# Altium PCB STeaMi-VerB1.PcbDoc (part 5 of 5)
Units mm, origin at the board's own origin, x right, y up, seen from the top; angles counter-clockwise.
Board outline 61.3 x 91.91 mm, 4 copper layers (Top Layer, Mid-Layer 1, Mid-Layer 2, Bottom Layer), stack 1.573 mm thick; 370 components, 209 nets, 1141 pads, 566 vias.
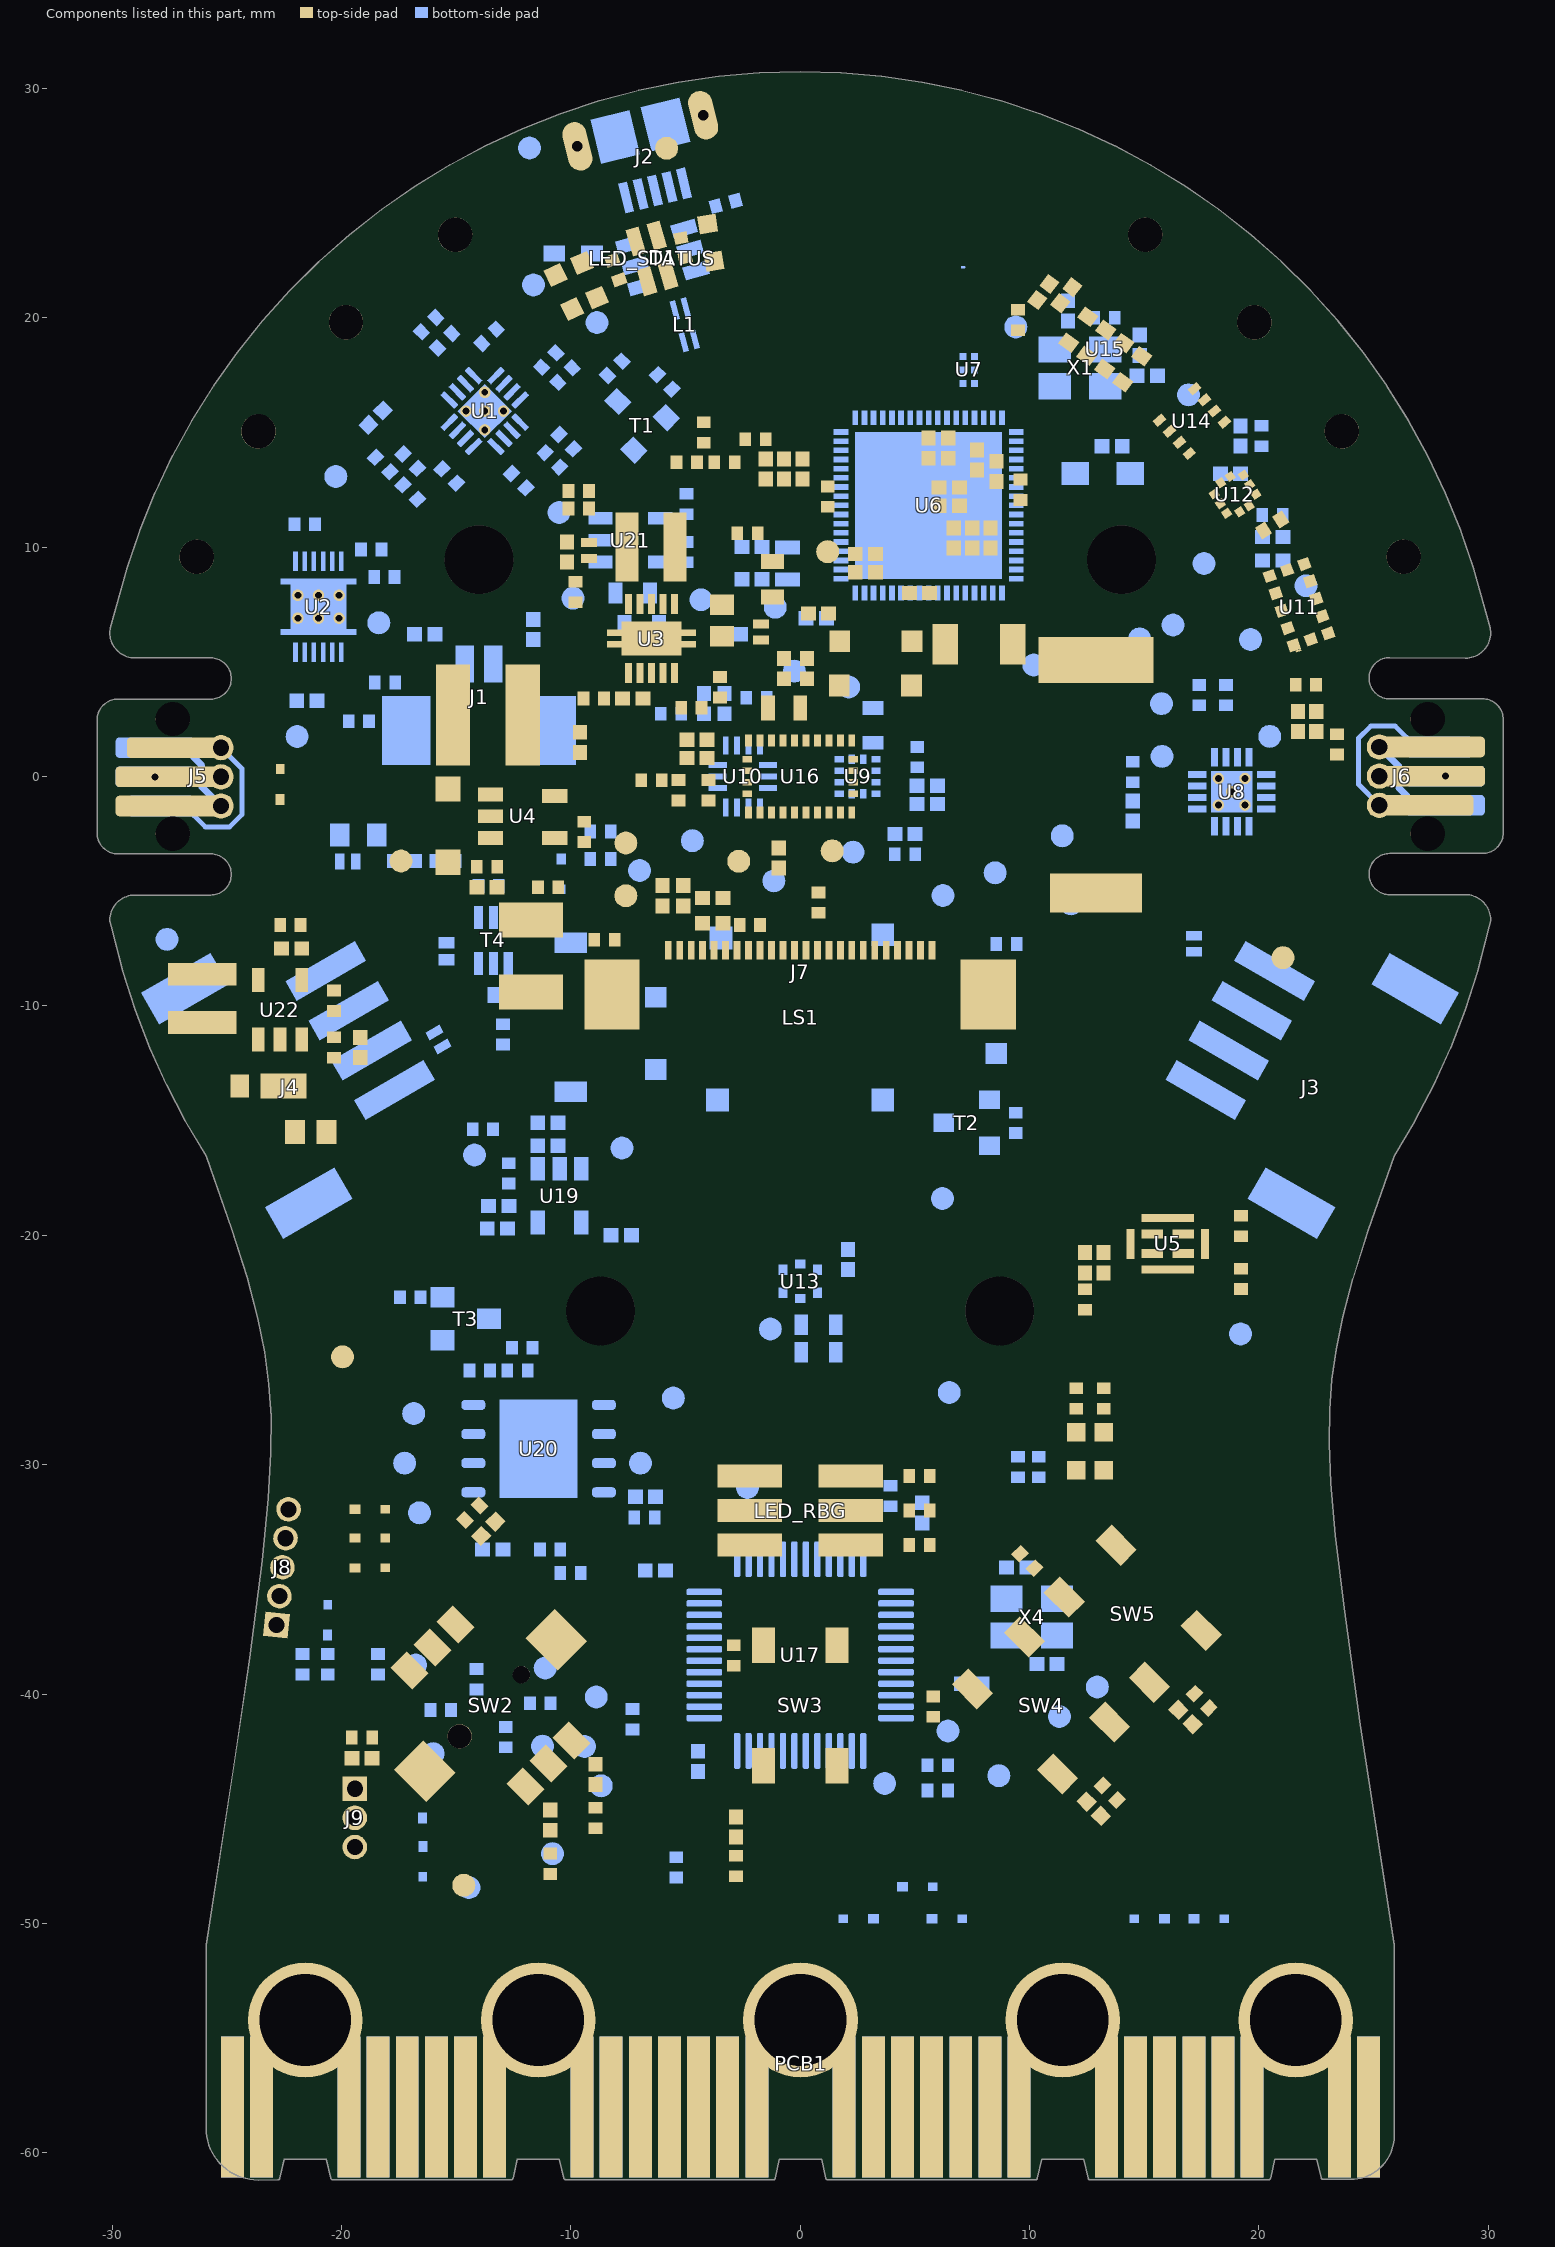
[diagram p7: the components of this part, seen from the top]

## Polygon pours and split planes (outlines as drawn)
GND on Bottom Layer "GND_L04_P103" (solid, remove dead copper, pour order 103): -27.558,-13.412 -28.287,-11.799 -28.922,-10.145 -29.46,-8.458 -29.9,-6.743 -30.24,-5.005 -30.478,-3.25 -30.615,-1.485 -30.65,0.286 -30.582,2.055 -30.412,3.818 -30.141,5.568 -29.769,7.299 -29.297,9.006 -28.727,10.683 -28.062,12.324 -27.303,13.924 -26.452,15.477 -25.514,16.979 -24.49,18.424 -23.384,19.807 -22.2,21.124 -20.942,22.37 -19.614,23.542 -18.221,24.634 -16.766,25.645 -15.256,26.57 -13.695,27.405 -12.088,28.15 -10.441,28.8 -8.759,29.354 -7.048,29.809 -5.313,30.165 -3.561,30.42 -1.796,30.574 -0.026,30.625 1.744,30.574 3.508,30.42 5.26,30.165 6.995,29.809 8.706,29.354 10.388,28.8 12.036,28.15 13.643,27.405 15.204,26.57 16.714,25.645 18.168,24.634 19.562,23.542 20.89,22.37 22.148,21.124 23.331,19.807 24.437,18.424 25.461,16.979 26.4,15.477 27.25,13.924 28.01,12.324 28.675,10.683 29.245,9.006 29.716,7.299 30.088,5.568 30.36,3.818 30.53,2.055 30.597,0.286 30.563,-1.485 30.426,-3.25 30.187,-5.005 29.847,-6.743 29.408,-8.458 28.87,-10.145 28.235,-11.799 27.506,-13.412 26.684,-14.981 25.774,-16.5 24.641,-19.74 23.977,-21.864 23.532,-23.541 23.238,-24.963 23.051,-26.28 22.951,-27.61 22.933,-29.073 23.008,-30.822 23.204,-33.088 23.583,-36.277 24.296,-41.352 25.774,-50.954 25.774,-60.954 -25.826,-60.954 -25.826,-50.954 -24.609,-43.101 -23.927,-38.432 -23.379,-34.205 -23.108,-31.476 -22.995,-29.494 -22.993,-27.898 -23.083,-26.478 -23.269,-25.088 -23.573,-23.591 -24.043,-21.817 -24.705,-19.707 -25.826,-16.5 -26.737,-14.981
GND on Bottom Layer "GND-ANTENNA-TRACK" (solid, pour order 28): 5.392,22.3 5.392,20.149 ccw(c8.328,20.266) 6.058,18.4 9.342,18.4 ccw(c8.384,19.59) 9.692,18.8 ccw(c8.968,19.524) 9.992,19.524 9.992,22.3
GND on Bottom Layer "Bottom Layer-GND" (solid, remove dead copper, pour order 32): -15.1,7.9 -15.1,5.8 -14,5.8 -13.8,5.6 -13.8,4 -12.9,4 -11.9,5 -10.8,5 -10.8,7.9
POWER on Bottom Layer "POWER_L04_P000" (solid, pour order 0): -13.716,-4.318 -13.724,-6.759 -16.383,-6.759 -16.383,-4.318
NetC48_2 on Bottom Layer "Bottom Layer-NetC48_2" (solid, pour order 70): -1.4,1.35 -1.4,-1.736 -3.6,-1.736 -3.6,1.35
POWER on Bottom Layer "Bottom Layer-POWER" (solid, pour order 72): -6.837,9.7 -6.837,5.946 -5.418,5.946 -5.418,9.7 -6.216,9.7
GND on Bottom Layer "Antenna_GND" (solid, pour order 12): 6.7,18.9 6.7,16.2 7.4,16.2 7.4,17.4 8.1,17.4 8.1,18.9
PACK_OUT on Bottom Layer "Bottom Layer-PACK_OUT" (solid, pour order 8): -13.5,14.7 -11.557,12.827 -11.43,12.827 -10.668,13.589 -12.7,15.5
SYST on Bottom Layer "Bottom Layer-SYST" (solid, remove dead copper, pour order 52): -10.9,9.8 -10.9,7.1 -7.7,7.1 -7.7,9.8
GND on Top Layer "GND_L01_P105" (solid, pour order 105): 190 vertices, not listed, extent -30.65,-61.185 30.651,30.746
NetC8_2 on Top Layer "NETC8_2_L01_P058" (solid, remove dead copper, pour order 58): -13,5 -13,-0.447 -11.2,-2.247 -9,-2.247 -9,1.535 -11.3,1.535 -11.3,5
NetC54_2 on Top Layer "Mid-Layer 1-NetC45_2" (solid, pour order 36): 22.659,10.189 24.171,6.03 21.123,4.922 19.677,9.257
+14V5 on Top Layer "Top Layer-+14V5" (solid, pour order 62): -15.9,-3.178 -15.9,-4.435 -15.499,-4.835 -15.499,-8.183 -13,-8.183 -13,-4.3 -13.7,-4.3 -13.7,-3.178
GND on Top Layer "DC/DC_GND" (solid, pour order 96): -9.556,7.195 -2.8,7.2 -2.8,4 -9.6,4 -9.6,7.2
NetD3_A on Top Layer "Top Layer-NetD3_A" (solid, pour order 56): -12.686,-1.368 -12.686,-0.015 -13.6,-0.016 -13.6,5 -16.3,5 -16.3,-1.368
NetC59_2 on Top Layer "Top Layer-NetC59_2" (solid, pour order 2): 19.114,14.95 17.259,16.805 18.577,17.519 18.903,17.463 20.777,17.463 20.963,17.277 20.949,17.263 20.949,16.785
NetC86_2 on Top Layer "Top Layer-+3V3@1200mA 1" (solid, pour order 14): -27.686,-8.001 -27.686,-9.398 -24.384,-9.398 -21.209,-9.398 -21.209,-6.35 -22.098,-6.35 -22.098,-8.001 -22.277,-8.001
5V_JD_PWR@100mA on Top Layer "Top Layer-5V_JD_PWR@100mA" (solid, pour order 22): -23.241,-12.192 -23.749,-12.7 -23.749,-14.224 -21.336,-14.224 -21.336,-16.129 -19.939,-16.129 -19.939,-14.859 -19.558,-14.478 -19.558,-11.938 -19.558,-11.811 -19.812,-11.811 -21.336,-11.811 -21.336,-12.192
NetC85_1 on Top Layer "Top Layer-NetC85_1" (solid, pour order 26): -22.098,-12.065 -21.336,-12.065 -21.336,-11.811 -18.796,-11.811 -18.796,-10.922 -19.812,-10.922 -19.812,-9.906 -20.828,-9.906 -20.828,-10.668 -22.098,-10.668
NetD25_A on Top Layer "Top Layer-NetD25_A" (solid, pour order 18): -27.686,-10.033 -27.686,-11.303 -24.98,-13.97 -23.749,-13.97 -23.749,-12.954 -23.241,-12.446 -23.241,-10.033 -24.384,-10.033
+3V3@1200mA on Top Layer "Top Layer-+3V3@1200mA" (solid, remove dead copper, pour order 50): -4.6,11.9 -4.6,9.7 -2.4,9.7 -2.4,11.9
SYST on Top Layer "Top Layer-SYST" (solid, remove dead copper, pour order 38): -7.3,7.1 -9.005,7.1 -10.6,8.581 -10.6,9.7 -7.3,9.7
no net on Top Layer "Top Layer-No Net 1" (solid, pour order 80): -5.2,6.8
+3V3 on Top Layer "Top Layer-+3V3" (solid, pour order 44): -0.7,7.015 -1.589,7.015 -1.6,7.004 -1.6,6.4 -2.7,6.4 -2.7,7 -5.7,7 -5.7,8 -0.7,8
no net on Top Layer "Top Layer-No Net" (solid, pour order 76): -3.795,9.535
GND on Mid-Layer 2 "GND_Layer2" (solid, remove dead copper, pour order 100): -27.558,-13.412 -28.287,-11.799 -28.922,-10.145 -29.46,-8.458 -29.9,-6.743 -30.24,-5.005 -30.478,-3.25 -30.615,-1.485 -30.65,0.286 -30.582,2.055 -30.412,3.818 -30.141,5.568 -29.769,7.299 -29.297,9.006 -28.727,10.683 -28.062,12.324 -27.303,13.924 -26.452,15.477 -25.514,16.979 -24.49,18.424 -23.384,19.807 -22.2,21.124 -20.942,22.37 -19.614,23.542 -18.221,24.634 -16.766,25.645 -15.256,26.57 -13.695,27.405 -12.088,28.15 -10.441,28.8 -8.759,29.354 -7.048,29.809 -5.313,30.165 -3.561,30.42 -1.796,30.574 -0.026,30.625 1.744,30.574 3.508,30.42 5.26,30.165 6.995,29.809 8.706,29.354 10.388,28.8 12.036,28.15 13.643,27.405 15.204,26.57 16.714,25.645 18.168,24.634 19.562,23.542 20.89,22.37 22.148,21.124 23.331,19.807 24.437,18.424 25.461,16.979 26.4,15.477 27.25,13.924 28.01,12.324 28.675,10.683 29.245,9.006 29.716,7.299 30.088,5.568 30.36,3.818 30.53,2.055 30.597,0.286 30.563,-1.485 30.426,-3.25 30.187,-5.005 29.847,-6.743 29.408,-8.458 28.87,-10.145 28.235,-11.799 27.506,-13.412 26.684,-14.981 25.774,-16.5 24.641,-19.74 23.977,-21.864 23.532,-23.541 23.238,-24.963 23.051,-26.28 22.951,-27.61 22.933,-29.073 23.008,-30.822 23.204,-33.088 23.583,-36.277 24.296,-41.352 25.774,-50.954 25.774,-60.954 -25.826,-60.954 -25.826,-50.954 -24.609,-43.101 -23.927,-38.432 -23.379,-34.205 -23.108,-31.476 -22.995,-29.494 -22.993,-27.898 -23.083,-26.478 -23.269,-25.088 -23.573,-23.591 -24.043,-21.817 -24.705,-19.707 -25.826,-16.5 -26.737,-14.981
GND on Mid-Layer 2 "Mid-Layer 2-GND" (solid, pour order 30): -15.1,7.9 -15.1,6 -12.2,6 -12.2,7.9
+3V3@1200mA on Mid-Layer 1 "+3V3@1200MA_L02_P078" (solid, remove dead copper, pour order 78): -27.548,-13.357 -28.277,-11.743 -28.912,-10.09 -29.45,-8.403 -29.89,-6.688 -30.23,-4.95 -30.469,-3.195 -30.605,-1.429 -30.64,0.341 -30.572,2.111 -30.403,3.873 -30.131,5.623 -29.759,7.355 -29.287,9.061 -28.718,10.738 -28.052,12.379 -27.293,13.979 -26.443,15.532 -25.504,17.034 -24.48,18.479 -23.374,19.862 -22.19,21.179 -20.932,22.425 -19.604,23.597 -18.211,24.69 -16.757,25.7 -15.246,26.625 -13.685,27.461 -12.078,28.205 -10.431,28.855 -8.749,29.409 -7.038,29.864 -5.303,30.22 -3.551,30.476 -1.787,30.629 -0.016,30.68 1.754,30.629 3.518,30.476 5.27,30.22 7.005,29.864 8.716,29.409 10.398,28.855 12.045,28.205 13.652,27.461 15.213,26.625 16.724,25.7 18.178,24.69 19.571,23.597 20.899,22.425 22.157,21.179 23.341,19.862 24.447,18.479 25.471,17.034 26.41,15.532 27.26,13.979 28.019,12.379 28.685,10.738 29.254,9.061 29.726,7.355 30.098,5.623 30.37,3.873 30.539,2.111 30.607,0.341 30.573,-1.429 30.436,-3.195 30.197,-4.95 29.857,-6.688 29.417,-8.403 28.879,-10.09 28.245,-11.743 27.515,-13.357 26.694,-14.926 25.784,-16.445 24.651,-19.685 23.987,-21.809 23.542,-23.486 23.248,-24.908 23.061,-26.225 22.961,-27.555 22.943,-29.018 23.017,-30.766 23.214,-33.033 23.592,-36.222 24.305,-41.297 25.784,-50.899 25.784,-60.899 -25.816,-60.899 -25.816,-50.899 -24.599,-43.045 -23.917,-38.376 -23.369,-34.149 -23.098,-31.421 -22.986,-29.439 -22.983,-27.843 -23.073,-26.423 -23.259,-25.033 -23.563,-23.535 -24.033,-21.762 -24.695,-19.651 -25.816,-16.445 -26.727,-14.926
PACK_OUT on Mid-Layer 1 "Bottom Layer-PACK_OUT" (solid, pour order 74): -14.784,13.416 -13.73,12.362 -11.2,12.362 -11.2,14 -12.7,15.5
no net on Mechanical 3 "MEC" (solid, pour order 86): 23.7,8.2

## Keep-outs
Keep-Out Layer:
  lines w0.1: -23.749,-61.074 -22.775,-61.074 ; -20.575,-60.174 -20.375,-61.073 ; 20.605,-60.185 22.605,-60.185
  lines w0.2: -25.8,-59.074 -25.8,-50.954 -24.583,-43.101 -23.901,-38.432 -23.353,-34.205 -23.081,-31.476 -22.969,-29.495 -22.967,-27.898 -23.057,-26.478 -23.243,-25.088 -23.547,-23.591 -24.017,-21.817 -24.678,-19.707 -25.8,-16.5 -26.711,-14.981 -27.532,-13.412 -28.261,-11.799 -28.896,-10.145 -29.434,-8.458 -29.935,-6.502 -30,-6.27 cw(c-29,-6.27) -29,-5.27 -25.7,-5.27 ccw(c-25.7,-4.27) -24.7,-4.27 ccw(c-25.7,-4.27) -25.7,-3.27 -29.75,-3.27 cw(c-29.75,-2.47) -30.55,-2.47 -30.55,2.47 cw(c-29.75,2.47) -29.75,3.27 -25.7,3.27 ccw(c-25.7,4.27) -24.7,4.27 ccw(c-25.7,4.27) -25.7,5.27 -29,5.27 cw(c-29,6.27) -30,6.27 cw(c0,0) 29.963,6.444 ; -25.785,-59.074 ccw(c-23.785,-59.074) -23.785,-61.074 -22.775,-61.074 -22.575,-60.174 -20.575,-60.174 -20.375,-61.073 -12.615,-61.085 -12.415,-60.174 -10.415,-60.185 -10.213,-61.073 -1.183,-61.085 -0.985,-60.185 1.015,-60.185 1.217,-61.085 10.247,-61.085 10.445,-60.185 12.445,-60.185 12.647,-61.085 20.407,-61.085 20.605,-60.185 ; 22.605,-60.185 22.807,-61.074 23.749,-61.074 ; 23.815,-61.071 ccw(c23.818,-59.074) 25.815,-59.074 ; 25.701,5.285 ccw(c25.701,4.285) 24.701,4.285 ccw(c25.7,4.286) 25.701,3.286 29.751,3.286 cw(c29.751,2.485) 30.551,2.485 30.551,-2.455 cw(c29.751,-2.455) 29.751,-3.255 25.701,-3.255 ccw(c25.7,-4.255) 24.7,-4.254 ccw(c25.7,-4.254) 25.701,-5.255 29.003,-5.255 ; 25.708,5.285 29,5.259 ccw(c29,6.259) 30,6.259 29.978,6.447 ; 25.8,-59.25 25.8,-50.954 24.322,-41.352 23.609,-36.277 23.23,-33.088 23.034,-30.822 22.959,-29.073 22.977,-27.61 23.078,-26.28 23.264,-24.963 23.559,-23.541 24.003,-21.864 24.667,-19.74 25.8,-16.5 26.711,-14.981 27.532,-13.412 28.261,-11.799 28.896,-10.145 29.434,-8.458 29.935,-6.502 30,-6.251 ccw(c29,-6.251) 29,-5.251

## Other copper
Top Layer:
  pour cut-out: 25.908,-54.61 -26.035,-54.61 -26.035,-61.214 25.908,-61.214
  pour cut-out: -25.146,3.683 -25.146,-3.556 -30.988,-3.556 -30.988,3.683
  pour cut-out: 25.273,3.683 25.273,-3.556 30.734,-3.556 30.734,3.683
  pour cut-out: 3.002,-16.845 -3.002,-16.845 -3.002,-27.132 3.002,-27.132
  pour cut-out: -25.019,-54.737 -26.035,-54.737 -26.035,-61.087 -25.019,-61.087
  pour cut-out: 15.682,15.547 17.206,16.881 18.495,15.45 16.968,14.082
  pour cut-out: -1.8,22.319 10.6,22.319 12.201,28.203 8.462,30.015 2.462,30.915 -2.9,30.538
  text "1" at -21.844,-49.33 h0.9
  text "TOP LAYER" at 30.099,-105.918 h1.6
Mid-Layer 1:
  pour cut-out: 3.052,-16.924 -3.164,-16.924 -3.164,-27.226 3.052,-27.226
  pour cut-out: 8.9,22.3 8.9,18 5.7,18 5.7,21.5 5.7,22.3
  pour cut-out: -2.9,30.52 -1.8,22.3 10.6,22.3 12.155,28.187 8.498,29.985 2.498,30.885
  text "LAYER 1" at 30.988,-112.776 h1.6
Mid-Layer 2:
  pour cut-out: 3,-16.764 -3.005,-16.764 -3.005,-27.305 3,-27.305
  pour cut-out: -2.902,30.614 -1.779,22.303 10.595,22.303 12.155,28.187 8.5,30 2.5,30.9
  text "LAYER 2" at 30.861,-118.11 h1.6
Bottom Layer:
  pour cut-out: 25.908,-54.61 -26.035,-54.61 -26.035,-61.214 25.908,-61.214
  pour cut-out: -25.146,3.683 -25.146,-3.556 -30.988,-3.556 -30.988,3.683
  pour cut-out: 25.273,3.683 25.273,-3.556 30.734,-3.556 30.734,3.683
  pour cut-out: 3.052,-16.93 -2.952,-16.93 -2.952,-27.226 3.053,-27.226
  pour cut-out: -25.019,-54.737 -26.035,-54.737 -26.035,-61.087 -25.019,-61.087
  pour cut-out: -2.9,30.52 -1.8,22.3 10.6,22.3 12.037,28.174 8.166,29.718 3.362,30.527
  text "4" at -17.75,-49.366 h0.9
  text "BOTTOM LAYER" at 28.194,-101.727 h1.6
Multi-Layer:
  text "MULTI-LAYER" at 28.829,-121.158 h1.6

## Silkscreen, mask and mechanical layers (free items; w line width, h text height)
Top Overlay:
  circle w0.2: c8.675,25.4 r0.4
  circle w0.2: c8.675,25.4 r0.1
  circle w0.2: c5.219,-1.368 r0.1
  circle w0.2: c5.219,-1.368 r0.4
  lines w0.1: 3.89,-1.368 4.09,-1.368 ; 4.09,-1.468 4.09,-1.268 ; 5.119,-0.439 5.319,-0.439
  lines w0.2: -25.8,-50.954 25.8,-50.954 ; -23.495,-14.351 -21.546,-14.351 ; -23.495,-12.573 -21.546,-12.573 ; -22.606,-4.699 -22.098,-5.08 -22.098,-5.715 ; -15.356,7.057 ccw(c-14.001,9.45) -12.281,11.595 ; -15.355,7.059 ccw(c0,0) -9.636,-13.884 ; -12.288,11.602 cw(c0,0) 12.293,11.597 ; -10.5,6.6 -10.5,7.8 -10.4,7.9 ; -8.3,-5.9 -8.2,-6 -8.2,-6.45 ; -5.969,24.638 -4.191,26.416 -3.81,26.416 ; -4.788,-20.447 cw(c0,0) 5.286,-20.324 ; -4.7,-1.5 -4.3,-1.9 -4.3,-2.1 ; -3.429,24.765 -3.048,25.146 -2.54,25.146 ; -3.3,13.2 -3.3,12.9 -2.7,12.3 ; -1.945,15.204 -1.68,15.706 -1.011,15.706 ; -1,10.6 1.025,10.6 2.094,11.6 ; 4.09,-1.468 3.89,-1.368 4.09,-1.268 ; 4.09,-1.368 4.8,-1.368 ; 5.119,-0.439 5.219,-0.239 ; 5.219,-0.949 5.219,-0.239 ; 5.319,-0.439 5.219,-0.239 ; 7.545,25.3 7.345,25.4 7.545,25.5 ; 7.545,25.4 8.256,25.4 ; 8.575,26.329 8.675,26.529 ; 8.6,20.4 8.6,20.2 8.936,19.948 ; 8.675,25.819 8.675,26.529 ; 8.775,26.329 8.675,26.529 ; 9.6,10.8 9.6,11.4 ; 9.906,-13.692 ccw(c0,0) 15.358,7.053 ; 12.298,11.602 ccw(c14.011,9.45) 15.36,7.054 ; 13,-22.8 13.4,-22.8 14,-23.8 ; 22.404,-0.611 23.406,-0.01 23.4,0.45
  text "X" at 8.5,27.06 h0.5
  text "GND" at 10.757,25.6 h0.8
  text "Y" at 6.743,25.168 h0.5
  text "Z" at 9.456,25.168 h0.5
  text "GND" at -14.097,20.193 h0.8
  text "3V3" at -23.4,8.654 h0.8
  text "3V3" at 27.1,5.888 h0.8
  text "X" at 5.04,0.25 h0.5
  text "Y" at 3.287,-1.6 h0.5
  text "Z" at 6,-1.6 h0.5
  text "GND" at 22.2,-8.273 h0.8
  text "GND" at -21,-27.155 h0.8
  text "JTAG" at -22.436,-30.382 h0.8
  text "A" at 16.7,-34.5 h0.8
  text "Up" at -13.995,-34.658 h0.8
  text "Left" at -21.875,-40.724 h0.8
  text "Right" at -7.7,-40.9 h0.8
  text "B" at 7.7,-43 h0.8
  text "Menu" at -1.438,-44.952 h0.8
  text "Down" at -15,-47 h0.8
  text "SPI_CLK2" at 3.5,-50.4 h0.8 r90
  text "SPI_MISO" at 4.8,-50.4 h0.8 r90
  text "SPI_MOSI" at 6.1,-50.4 h0.8 r90
  text "3V3" at 8.7,-50.4 h0.8 r90
  text "3V3" at 11.9,-50.4 h0.8 r90
  text "3V3" at 14.9,-50.4 h0.8 r90
  text "SCL3" at 16.2,-50.4 h0.8 r90
  text "SDA3" at 17.617,-50.4 h0.8 r90
  text "GND" at 19.052,-50.4 h0.8 r90
  text "GND" at 22,-50.4 h0.8 r90
  text "GND" at 25,-50.4 h0.8 r90
  text "P16" at 7.387,-50.466 h0.8 r90
  text "TOP OVERLAY" at 28.956,-91.313 h1.6
Bottom Overlay:
  circle w0.2: c-8.1,1.6 r0.4
  circle w0.2: c-8.098,1.606 r0.1
  circle w0.2: c6.201,2.2 r0.1
  circle w0.2: c6.201,2.2 r0.4
  circle w0.1: c14.011,9.45 r2.75
  circle w0.1: c8.7,-23.3 r2.75
  circle w0.1: c-8.7,-23.3 r2.75
  lines w0.1: -16.699,9.98 cw(c-14.001,9.45) -11.347,10.169 ; -15.622,7.229 ccw(c-14.001,9.45) -11.972,7.593
  lines w0.2: -25.8,-50.954 25.8,-50.954 ; -23.6,-40.9 -21.2,-40.9 -19.8,-39.8 -18.4,-39.8 ; -18.263,7.527 -18.156,7.656 -17.065,7.658 ; -18,-19 -15.6,-16.4 -15.1,-16.4 ; -14.75,-17.864 -14.186,-17.3 -13.4,-17.3 ; -13.97,-14.605 -13.97,-14.351 ; -11.4,-43.6 -11.2,-43.4 -11.2,-43.1 ; -8.8,-1.1 -5.5,-1.1 -4.82,-1.909 ; -8.7,-4.2 -8.7,-4.5 -8.15,-5.05 ; -8.7,6.17 -8.7,6.6 -8.283,7.217 ; -8.2,0.5 -8.1,0.3 ; -8.1,1.1 -8.1,0.3 ; -8,0.5 -8.1,0.3 ; -7.7,1.6 -6.799,1.6 ; -6.999,1.5 -6.799,1.6 ; -6.999,1.7 -6.799,1.6 ; -6.9,-16.3 -6.6,-16.3 ; -6.3,4 -5.873,4 -5.423,3.48 ; -5.764,-32.336 -5.6,-32.5 -4.1,-32.5 ; -3.7,8.2 -3.326,8.6 -3.326,11.6 ; -3.048,4.9 -1.5,4.9 -1.2,5.2 -1.2,6.368 ; 4.2,-4.953 4.684,-4.572 4.684,-4.112 ; 6.101,3.206 6.201,3.406 ; 6.201,2.606 6.201,3.406 ; 6.301,3.206 6.201,3.406 ; 6.6,-4.318 8.128,-3.048 8.128,-2.667 ; 6.601,2.2 7.502,2.2 ; 7.302,2.1 7.502,2.2 ; 7.302,2.3 7.502,2.2 ; 7.4,-41.7 9,-41.7 10,-42.7 ; 8.49,-44.354 8.49,-44.967 8.89,-45.367 ; 9.211,-3.714 10,-3.1 10,-2.8 ; 11.6,23.232 12.65,22.182 12.65,21.432 12.65,20.782 12.8,20.632 ; 12.443,4.9 12.443,5.217 13.95,6 ; 19.3,11.4 19.619,11.4 ; 20.7,14 20.8,13.9 20.8,13.2
  text "Y" at 6,3.8 h0.5
  text "X" at 7.8,2 h0.5
  text "Z" at 5.351,1.945 h0.5
  text "X" at -6.399,1.406 h0.5
  text "Z" at -8.899,1.306 h0.5
  text "Y" at -8.3,-0.6 h0.5
  text "GND" at -24.691,-6.639 h0.8
  text "RST" at -5.386,-14.348 h0.8
  text "GND" at -13.791,-50.339 h0.8
  text "BOT OVERLAY" at 38.989,-107.188 h1.6
Top Paste:
  text "TOP PASTE" at 30.48,-95.631 h1.6
Bottom Paste:
  text "BOT PASTE" at 30.099,-110.744 h1.6
Top Solder:
  text "TOP SOLDER" at 29.399,-93.466 h1.6
Bottom Solder:
  text "BOT SOLDER" at 29.718,-108.458 h1.6
Drill Guide:
  text "DRILL GUIDE" at 29.083,-116.459 h1.6
Mechanical 7:
  lines w0.1: -0.136,23.235 0.364,-23.465
Top Assembly:
  text "TOP ASSEMBLY" at 28.448,-98.171 h1.6
Bottom Assembly:
  lines w0.1: -15.715,-7.366 -15.115,-7.366 ; -13.208,-9.825 -13.208,-9.225
  text "2" at -14.111,2.68 h0.5
  text "1" at -13.462,2.68 h0.5
  text "BOT ASSEMBLY" at 39.243,-103.632 h1.6
Top Size:
  circle w0.1: c0,0 r21
  lines w0.1: -0.25,0 0,0 ; 0,-64.485 0,0.015
  lines w0.2: 0,0 35.25,0
TOP cartouche:
  lines w0.127: -246.516,-30.611 -241.436,-30.611 ; -246.516,17.649 -241.436,17.649 ; -173.491,-127.131 -173.491,-122.051 ; -173.491,60.829 -173.491,65.909 ; -100.466,-127.131 -100.466,-122.051 ; -100.466,60.829 -100.466,65.909 ; -27.441,-127.131 -27.441,-122.051 ; -27.441,60.829 -27.441,65.909 ; 40.504,-78.871 45.584,-78.871 ; 40.504,-30.611 45.584,-30.611 ; 40.504,17.649 45.584,17.649 ; -246.516,-127.131 -246.516,65.909 45.584,65.909 45.584,-127.131 -246.516,-127.131 ; -241.436,-122.051 -241.436,60.829 40.504,60.829 40.504,-122.051 -241.436,-122.051
  lines w0.2: -100.016,-119.131 27.484,-119.131 ; -100.016,-116.631 27.484,-116.631 ; -100.016,-114.131 -40.016,-114.131 ; -100.016,-111.631 27.484,-111.631 ; -100.016,-109.131 -40.016,-109.131 ; -100.016,-106.631 -40.016,-106.631 ; -100.016,-104.131 -40.016,-104.131 ; -100.016,-101.631 -40.016,-101.631 ; -100.016,-99.131 -40.016,-99.131 ; -100.016,-96.631 -40.016,-96.631 ; -100.016,-94.131 -40.016,-94.131 ; -100.016,-91.631 -40.016,-91.631 ; -100.016,-89.131 39.984,-89.131 ; -95.016,-121.631 -95.016,-89.131 ; -82.016,-121.631 -82.016,-89.131 ; -46.016,-121.631 -46.016,-89.131 ; -40.016,-121.631 -40.016,-89.131 ; -20.016,-119.131 -20.016,-111.631 ; 2.484,-111.631 2.484,-89.131 ; 2.484,-104.131 27.484,-104.131 ; 2.484,-96.631 27.484,-96.631 ; 27.484,-121.631 27.484,-87.131 ; -100.016,-121.631 -100.016,-87.131 39.984,-87.131 39.984,-121.631 -100.016,-121.631
  text "1" at -210.271,62.48 h1.78
  text "2" at -137.627,62.48 h1.78
  text "3" at -64.475,62.48 h1.78
  text "A" at -244.758,40.723 h1.78
  text "A" at 42.409,39.467 h1.78
  text "B" at -244.611,-8.589 h1.78
  text "B" at 42.409,-8.589 h1.78
  text "C" at -244.611,-57.103 h1.78
  text "C" at 42.409,-57.103 h1.78
  text "Le présent document est la propriété exclusive de SmartEmbed. Remis à titre confidentiel, il ne peut être communiqué à des tiers, ni utilisé ou reproduit qu'en stricte conformité d'autorisations expresses préalables." at -99.016,-88.631 h1.65
  text "Format : A4" at 29.984,-88.631 h1.65
  text "16/12/2021" at 10.448,-91.127 h2.5
  text "IND" at -99.016,-91.131 h2
  text "DATE" at -91.016,-91.131 h2
  text "DESCRIPTION" at -70.016,-91.131 h2
  text "VISA" at -45.016,-91.131 h2
  text "Etabli le :" at 2.984,-91.131 h2
  text "Par :" at 2.984,-95.631 h2
  text "EAG" at 6.907,-95.79 h2.5
  text "Verifier le" at 2.984,-98.631 h2
  text "SmartEmbed" at -24.685,-102.629 h3
  text "Par" at 2.984,-103.131 h2
  text "Pépinière CleanTech Domaine du Petit Arbois" at -35.685,-104.999 h2
  text "D" at -244.611,-105.109 h1.78
  text "D" at 42.409,-105.109 h1.78
  text "Valide le" at 2.984,-106.131 h2
  text "Avenue Louis Philibert BP 80058 13792" at -33.045,-106.949 h2
  text "Aix-En-Provence Cedex 3" at -26.775,-109.449 h2
  text "Par" at 2.984,-110.631 h2
  text "EAG" at -45.339,-110.871 h2.5
  text "Add R110 et R14 R15 4.7K" at -81.534,-111.125 h2.5
  text "B1" at -98.82,-111.252 h2.5
  text "27/06/2024" at -94.234,-111.252 h2.5
  text "12/02/2023" at -94.107,-113.665 h2.5
  text "I2C bus, F103->I2C1&SPI2, RESET" at -80.899,-113.665 h2.5
  text "B" at -98.171,-113.792 h2.5
  text "EAG" at -45.085,-113.792 h2.5
  text "Carte éducation" at 0.984,-114.631 h3
  text "STE01" at -39.016,-115.131 h2.7
  text "A2" at -98.693,-116.078 h2.5
  text "31/03/2023" at -93.889,-116.078 h2.5
  text "Update LED5, Polygon, StackLayer" at -81.391,-116.078 h2.5
  text "EAG" at -45.143,-116.205 h2.5
  text "Mise à jour Power JACDAC" at -81.391,-118.551 h2.5
  text "01/02/2022" at -93.889,-118.591 h2.5
  text "Référence" at -34.516,-118.631 h2.5
  text "Désignation" at -0.516,-118.631 h2.5
  text "A1" at -98.693,-118.718 h2.5
  text "EAG" at -45.143,-118.718 h2.5
  text "Création" at -81.645,-121.091 h2.5
  text "A" at -98.566,-121.131 h2.5
  text "16/12/2021" at -94.016,-121.131 h2.5
  text "EAG" at -45.016,-121.131 h2.5
  text "STE-01-Carte éducation.pcbdoc" at -14.016,-121.131 h1.5
  text "1" at -210.271,-125.48 h1.78
  text "2" at -137.627,-125.48 h1.78
  text "3" at -64.475,-125.48 h1.78
  text "4" at 8.423,-125.48 h1.78
Drill Drawing:
  drawing of 443 lines, arcs and shapes, not listed
  text "Symbol" at -235.383,53.607 h1.26
  text "Count" at -226.274,53.607 h1.26
  text "Hole Size" at -215.614,53.607 h1.26
  text "Plated" at -194.977,53.607 h1.26
  text "Hole Type" at -185.868,53.607 h1.26
  text "Drill Layer Pair" at -172.768,53.607 h1.26
  text "Via/Pad" at -146.355,53.607 h1.26
  text "Pad Shape" at -135.776,53.607 h1.26
  text "Template" at -116.539,53.607 h1.26
  text "Description" at -95.553,53.607 h1.26
  text "Hole Tolerance (+)" at -80.352,53.607 h1.26
  text "Hole Tolerance (-)" at -56.751,53.607 h1.26
  text "1" at -226.274,50.981 h1.05
  text "0,750mm (29,53mil)" at -215.614,50.981 h1.05
  text "NPTH" at -194.977,50.981 h1.05
  text "Round" at -185.868,50.981 h1.05
  text "Top Layer - Bottom Layer" at -172.768,50.981 h1.05
  text "Pad" at -146.355,50.981 h1.05
  text "Rounded" at -135.776,50.981 h1.05
  text "c75hn75" at -116.539,50.981 h1.05
  text "1" at -226.274,48.354 h1.05
  text "1,050mm (41,34mil)" at -215.614,48.354 h1.05
  text "NPTH" at -194.977,48.354 h1.05
  text "Round" at -185.868,48.354 h1.05
  text "Top Layer - Bottom Layer" at -172.768,48.354 h1.05
  text "Pad" at -146.355,48.354 h1.05
  text "Rounded" at -135.776,48.354 h1.05
  text "c105hn105" at -116.539,48.354 h1.05
  text "2" at -226.274,45.728 h1.05
  text "0,460mm (18,11mil)" at -215.614,45.728 h1.05
  text "PTH" at -194.977,45.728 h1.05
  text "Slot" at -185.868,45.728 h1.05
  text "Top Layer - Bottom Layer" at -172.768,45.728 h1.05
  text "Pad" at -146.355,45.728 h1.05
  text "Rounded" at -135.776,45.728 h1.05
  text "r105_215h46_155r100" at -116.539,45.728 h1.05
  text "4" at -226.274,43.102 h1.05
  text "1,500mm (59,06mil)" at -215.614,43.102 h1.05
  text "NPTH" at -194.977,43.102 h1.05
  text "Slot" at -185.868,43.102 h1.05
  text "Top Layer - Bottom Layer" at -172.768,43.102 h1.05
  text "Pad" at -146.355,43.102 h1.05
  text "Rounded Rectangle" at -135.776,43.102 h1.05
  text "(Mixed)" at -116.539,43.102 h1.05
  text "4" at -226.274,40.476 h1.05
  text "3,000mm (118,11mil)" at -215.614,40.476 h1.05
  text "NPTH" at -194.977,40.476 h1.05
  text "Round" at -185.868,40.476 h1.05
  text "Top Layer - Bottom Layer" at -172.768,40.476 h1.05
  text "Pad" at -146.355,40.476 h1.05
  text "Rounded" at -135.776,40.476 h1.05
  text "(Mixed)" at -116.539,40.476 h1.05
  text "5" at -226.274,37.849 h1.05
  text "4,000mm (157,48mil)" at -215.614,37.849 h1.05
  text "PTH" at -194.977,37.849 h1.05
  text "Round" at -185.868,37.849 h1.05
  text "Top Layer - Bottom Layer" at -172.768,37.849 h1.05
  text "Pad" at -146.355,37.849 h1.05
  text "Rounded" at -135.776,37.849 h1.05
  text "c500h400" at -116.539,37.849 h1.05
  text "6" at -226.274,35.223 h1.05
  text "0,710mm (27,95mil)" at -215.614,35.223 h1.05
  text "PTH" at -194.977,35.223 h1.05
  text "Round" at -185.868,35.223 h1.05
  text "Top Layer - Bottom Layer" at -172.768,35.223 h1.05
  text "Pad" at -146.355,35.223 h1.05
  text "Rounded" at -135.776,35.223 h1.05
  text "c110h71m110p220" at -116.539,35.223 h1.05
  text "8" at -226.274,32.597 h1.05
  text "0,700mm (27,56mil)" at -215.614,32.597 h1.05
  text "PTH" at -194.977,32.597 h1.05
  text "Round" at -185.868,32.597 h1.05
  text "Top Layer - Bottom Layer" at -172.768,32.597 h1.05
  text "Pad" at -146.355,32.597 h1.05
  text "(Mixed)" at -135.776,32.597 h1.05
  text "(Mixed)" at -116.539,32.597 h1.05
  text "8" at -226.274,29.971 h1.05
  text "1,500mm (59,06mil)" at -215.614,29.971 h1.05
  text "PTH" at -194.977,29.971 h1.05
  text "Round" at -185.868,29.971 h1.05
  text "Top Layer - Bottom Layer" at -172.768,29.971 h1.05
  text "Pad" at -146.355,29.971 h1.05
  text "Rounded" at -135.776,29.971 h1.05
  text "c150h150m150p150" at -116.539,29.971 h1.05
  text "584" at -226.274,27.344 h1.05
  text "0,300mm (11,81mil)" at -215.614,27.344 h1.05
  text "PTH" at -194.977,27.344 h1.05
  text "Round" at -185.868,27.344 h1.05
  text "Top Layer - Bottom Layer" at -172.768,27.344 h1.05
  text "(Mixed)" at -146.355,27.344 h1.05
  text "Rounded" at -135.776,27.344 h1.05
  text "(Mixed)" at -116.539,27.344 h1.05
  text "623 Total" at -226.274,24.718 h1.05
  text "Slot definitions :" at -235.383,22.022 h1.05
  text "Routed Path Length" at -217.082,22.022 h1.05
  text "= Calculated from tool start centre position to tool end centre position." at -197.555,22.022 h1.05
  text "Hole Length" at -217.082,20.114 h1.05
  text "= Routed Path Length + Tool Size = Slot length as defined in the PCB layout" at -204.731,20.114 h1.05
  text "Layer" at -231.258,-6.74 h1.52
  text "Name" at -220.847,-6.74 h1.52
  text "Material" at -197.231,-6.74 h1.52
  text "Thickness" at -175.393,-6.74 h1.52
  text "Constant" at -158.887,-6.74 h1.52
  text "Board Layer Stack" at -144.413,-6.74 h1.52
  text "1" at -231.258,-9.788 h1.52
  text "Top Overlay" at -220.847,-9.788 h1.52
  text "2" at -231.258,-12.836 h1.52
  text "Top Solder" at -220.847,-12.836 h1.52
  text "Solder Resist" at -197.231,-12.836 h1.52
  text "0,015mm" at -175.393,-12.836 h1.52
  text "3,5" at -158.887,-12.836 h1.52
  text "3" at -231.258,-15.884 h1.52
  text "Top Layer" at -220.847,-15.884 h1.52
  text "Copper" at -197.231,-15.884 h1.52
  text "0,035mm" at -175.393,-15.884 h1.52
  text "4" at -231.258,-18.932 h1.52
  text "Dielectric1" at -220.847,-18.932 h1.52
  text "Prepreg" at -197.231,-18.932 h1.52
  text "0,201mm" at -175.393,-18.932 h1.52
  text "4,5" at -158.887,-18.932 h1.52
  text "5" at -231.258,-21.98 h1.52
  text "Mid-Layer 1" at -220.847,-21.98 h1.52
  text "Copper" at -197.231,-21.98 h1.52
  text "0,018mm" at -175.393,-21.98 h1.52
  text "6" at -231.258,-25.028 h1.52
  text "Dielectric2" at -220.847,-25.028 h1.52
  text "FR-4" at -197.231,-25.028 h1.52
  text "1,065mm" at -175.393,-25.028 h1.52
  text "4,7" at -158.887,-25.028 h1.52
  text "7" at -231.258,-28.076 h1.52
  text "Mid-Layer 2" at -220.847,-28.076 h1.52
  text "Copper" at -197.231,-28.076 h1.52
  text "0,018mm" at -175.393,-28.076 h1.52
  text "8" at -231.258,-31.124 h1.52
  text "Dielectric3" at -220.847,-31.124 h1.52
  text "Prepeg" at -197.231,-31.124 h1.52
  text "0,201mm" at -175.393,-31.124 h1.52
  text "4,5" at -158.887,-31.124 h1.52
  text "9" at -231.258,-34.172 h1.52
  text "Bottom Layer" at -220.847,-34.172 h1.52
  text "Copper" at -197.231,-34.172 h1.52
  text "0,035mm" at -175.393,-34.172 h1.52
  text "10" at -231.258,-37.22 h1.52
  text "Bottom Solder" at -220.847,-37.22 h1.52
  text "Solder Resist" at -197.231,-37.22 h1.52
  text "0,015mm" at -175.393,-37.22 h1.52
  text "3,5" at -158.887,-37.22 h1.52
  text "11" at -231.258,-40.268 h1.52
  text "Bottom Overlay" at -220.847,-40.268 h1.52
  text "HARD GOLD PLATING" at -67.437,-56.515 h1.75
  text "GOLDFINGER" at -61.849,-59.69 h1.75
  text "LAYERS STACK-UP" at -181.912,-61.469 h2.1
  text "TOP LAYER" at -170.642,-66.618 h1.75
  text "NOTE:" at -80.899,-67.183 h1.75
  text "F1:35µ" at -188.392,-67.993 h1.4
  text "TOP AND BOTTOM SOLDERMASK = BLACK" at -106.553,-70.612 h1.75
  text "201µ  Er=4.5" at -170.862,-71.168 h1.2
  text "TOP AND BOTTOM OVERLAYER = WHITE" at -106.553,-73.279 h1.75
  text "F2:18µ" at -189.027,-73.708 h1.4
  text "1065µ   Er=4.7" at -171.512,-77.719 h1.2
  text "F3:18µ" at -189.027,-78.788 h1.4
  text "1.6 +/-10%" at -147.162,-83.918 h1.4 r90
  text "201µ  Er=4.5" at -170.412,-84.169 h1.2
  text "F4:35µ" at -189.027,-84.503 h1.4
  text "BOTTOM LAYER" at -173.642,-89.618 h1.75
  text "CONTROLLED IMPEDANCES DESIGN. / FOLLOW THE SPECIFIED MATERIALS / AND THICKNESSES" at -187.512,-99.269 h1.5
  text "DRILL DRAWING" at 27.94,-119.634 h1.6
Bottom Size:
  circle w0.15: c-14.001,9.45 r2.75
  text "Mise à jour Power JACDAC" at -46.482,-118.618 h2.5
BOT cartouche:
  lines w0.127: -246.416,-30.511 -241.336,-30.511 ; -246.416,17.749 -241.336,17.749 ; -173.391,-127.031 -173.391,-121.951 ; -173.391,60.929 -173.391,66.009 ; -100.366,-127.031 -100.366,-121.951 ; -100.366,60.929 -100.366,66.009 ; -27.341,-127.031 -27.341,-121.951 ; -27.341,60.929 -27.341,66.009 ; 40.604,-78.771 45.684,-78.771 ; 40.604,-30.511 45.684,-30.511 ; 40.604,17.749 45.684,17.749 ; -246.416,-127.031 -246.416,66.009 45.684,66.009 45.684,-127.031 -246.416,-127.031 ; -241.336,-121.951 -241.336,60.929 40.604,60.929 40.604,-121.951 -241.336,-121.951
  lines w0.2: -99.916,-119.031 27.584,-119.031 ; -99.916,-116.531 27.584,-116.531 ; -99.916,-114.031 -39.916,-114.031 ; -99.916,-111.531 27.584,-111.531 ; -99.916,-109.031 -39.916,-109.031 ; -99.916,-106.531 -39.916,-106.531 ; -99.916,-104.031 -39.916,-104.031 ; -99.916,-101.531 -39.916,-101.531 ; -99.916,-99.031 -39.916,-99.031 ; -99.916,-96.531 -39.916,-96.531 ; -99.916,-94.031 -39.916,-94.031 ; -99.916,-91.531 -39.916,-91.531 ; -99.916,-89.031 40.084,-89.031 ; -94.916,-121.531 -94.916,-89.031 ; -81.916,-121.531 -81.916,-89.031 ; -45.916,-121.531 -45.916,-89.031 ; -39.916,-121.531 -39.916,-89.031 ; -19.916,-119.031 -19.916,-111.531 ; 2.584,-111.531 2.584,-89.031 ; 2.584,-104.031 27.584,-104.031 ; 2.584,-96.531 27.584,-96.531 ; 27.584,-121.531 27.584,-87.031 ; -99.916,-121.531 -99.916,-87.031 40.084,-87.031 40.084,-121.531 -99.916,-121.531
  text "1" at -210.171,62.58 h1.78
  text "2" at -137.527,62.58 h1.78
  text "3" at -64.375,62.58 h1.78
  text "A" at 43.837,40.676 h1.78
  text "A" at -243.183,40.359 h1.78
  text "B" at -243.024,-9.012 h1.78
  text "B" at 43.679,-9.33 h1.78
  text "C" at 43.996,-57.272 h1.78
  text "C" at -243.024,-57.749 h1.78
  text "Format : A4" at 37.964,-88.387 h1.65
  text "Le présent document est la propriété exclusive de SmartEmbed. Remis à titre confidentiel, il ne peut être communiqué à des tiers, ni utilisé ou reproduit qu'en stricte conformité d'autorisations expresses préalables." at 26.851,-88.546 h1.65
  text "IND" at -95.704,-90.927 h2
  text "DATE" at -85.385,-90.927 h2
  text "DESCRIPTION" at -58.08,-90.927 h2
  text "VISA" at -40.776,-90.927 h2
  text "Etabli le :" at 25.899,-91.086 h2
  text "16/12/2021" at 17.961,-91.245 h2.5
  text "Par :" at 23.994,-95.214 h2
  text "EAG" at 18.12,-95.372 h2.5
  text "Verifier le" at 26.375,-98.547 h2
  text "SmartEmbed" at -8.233,-100.135 h3
  text "D" at -243.818,-101.087 h1.78
  text "Pépinière CleanTech Domaine du Petit Arbois" at -1.089,-102.199 h2
  text "Par" at 24.47,-102.992 h2
  text "Avenue Louis Philibert BP 80058 13792" at -4.423,-104.104 h2
  text "D" at 43.679,-104.897 h1.78
  text "Aix-En-Provence Cedex 3" at -7.598,-105.85 h2
  text "27/06/2024" at -83.058,-110.998 h2.5
  text "EAG" at -40.776,-110.998 h2.5
  text "B1" at -96.701,-111.125 h2.5
  text "Add R110 et R14 R15 4.7K" at -47.371,-111.125 h2.5
  text "B" at -96.52,-113.538 h2.5
  text "12/02/2023" at -83.82,-113.538 h2.5
  text "I2C bus, F103->I2C1&SPI2, RESET" at -46.482,-113.538 h2.5
  text "EAG" at -40.649,-113.538 h2.5
  text "Carte éducation" at 16.056,-114.422 h3
  text "STE01" at -22.203,-115.057 h2.7
  text "A2" at -96.012,-116.078 h2.5
  text "31/03/2023" at -83.566,-116.078 h2.5
  text "Update LED5, Polygon, StackLayer" at -46.609,-116.078 h2.5
  text "EAG" at -40.649,-116.078 h2.5
  text "Référence" at -25.219,-118.391 h2.5
  text "Désignation" at 13.516,-118.55 h2.5
  text "A1" at -96.012,-118.618 h2.5
  text "01/02/2022" at -83.185,-118.618 h2.5
  text "Mise à jour Power JACDAC" at -46.609,-118.618 h2.5
  text "EAG" at -40.649,-118.645 h2.5
  text "STE01-Carte Education.pcbdoc" at 3.515,-120.772 h1.5
  text "Création" at -46.65,-120.931 h2.5
  text "EAG" at -40.776,-120.931 h2.5
  text "A" at -96.339,-121.031 h2.5
  text "16/12/2021" at -83.321,-121.031 h2.5
  text "1" at -210.171,-125.38 h1.78
  text "2" at -137.527,-125.38 h1.78
  text "3" at -64.375,-125.38 h1.78
  text "4" at 8.523,-125.38 h1.78
Dimension:
  circle w0.1: c21.58,-54.189 r2
  circle w0.1: c11.42,-54.189 r2
  circle w0.1: c-0.01,-54.189 r2
  circle w0.1: c-11.44,-54.189 r2
  circle w0.1: c-21.6,-54.189 r2
  circle w0.1: c14.011,9.45 r1.5
  circle w0.1: c-14.001,9.45 r1.5
  circle w0.1: c8.7,-23.3 r1.5
  circle w0.1: c-8.7,-23.3 r1.5
  text "SIZE" at 31.623,-100.076 h1.6

## Dimensions
-21.6,-54.189 to -28.067,-49.657 on TOP cartouche
8.7,-23.3 to 12.647,-61.185 on TOP cartouche
8.7,-23.3 to 8.7,-10.911 on TOP cartouche
14.011,9.45 to 9.94,5.379 on TOP cartouche
-14.001,9.45 to 14.011,9.45 on TOP cartouche
-8.7,-23.3 to -14.001,9.45 on TOP cartouche
-8.7,-23.3 to 8.7,-23.3 on TOP cartouche
-30.65,2.47 to 30.651,-2.455 on TOP cartouche
23.99,-61.16 to -0.201,30.757 on TOP cartouche
-25.9,-50.954 to 25.9,-59.25 on TOP cartouche

## Text inside footprints (layer, text, board x,y; h text height)
D1: Bottom Assembly "3" at -4.009,21.642 h0.5 r106.06; Bottom Assembly "4" at -6.742,20.855 h0.5 r106.06; Bottom Assembly "6" at -7.601,24.096 h0.5 r106.06
J1: Bottom Assembly "1" at -12.222,4.54 h0.8
J2: Bottom Assembly "PCB Edge" at -3.456,31.637 h0.67 r193.91
J3: Bottom Assembly "1" at 20.73,-6.983 h0.8 r60
J4: Bottom Assembly "1" at -16.412,-14.462 h0.8 r300
J5: Top Size "Bevel 45 (+5/-20)°, 0.5mm" at -29.909,3.035 h0.5 r90; Top Size "PCB Thickness: 1.6 ± 0.15mm" at -28.758,3.67 h0.5 r90; Top Size "Keep Out Zone" at -26.147,5.575 h0.5 r90
J6: Top Size "Bevel 45 (+5/-20)°, 0.5mm" at 29.91,-3.035 h0.5 r270; Top Size "PCB Thickness: 1.6 ± 0.15mm" at 28.759,-3.67 h0.5 r270; Top Size "Keep Out Zone" at 26.147,-5.575 h0.5 r270
J8: Top Assembly "1" at -22.489,-37.196 h0.6 r84; Top Assembly "2" at -23.792,-37.159 h0.6 r84
J9: Bottom Assembly "1" at -19.047,-43.97 h0.6 r90
LED_STATUS: Top Assembly "V" at -6.111,23.084 h0.2 r105.97; Top Assembly "R" at -6.812,22.883 h0.2 r105.97
SW2: Top Assembly "d" at -13.051,-46.337 h0.5 r315; Top Assembly "b" at -6.326,-40.2 h0.5; Top Assembly "c" at -19.786,-39.602 h0.5 r315; Top Assembly "a" at -14.398,-34.214 h0.5 r315
U12: Mechanical 7 "recommendation to avoid  / mechanical stress: / no vias, drills in Keepout Area" at 15.056,13.135 h0.2 r303
U13: Mechanical 7 "recommendation to avoid  / mechanical stress: / no vias, drills in Keepout" at 2.639,-24.742 h0.2